# Altium PCB sombreakout.PcbDoc (part 2 of 3) (continued)
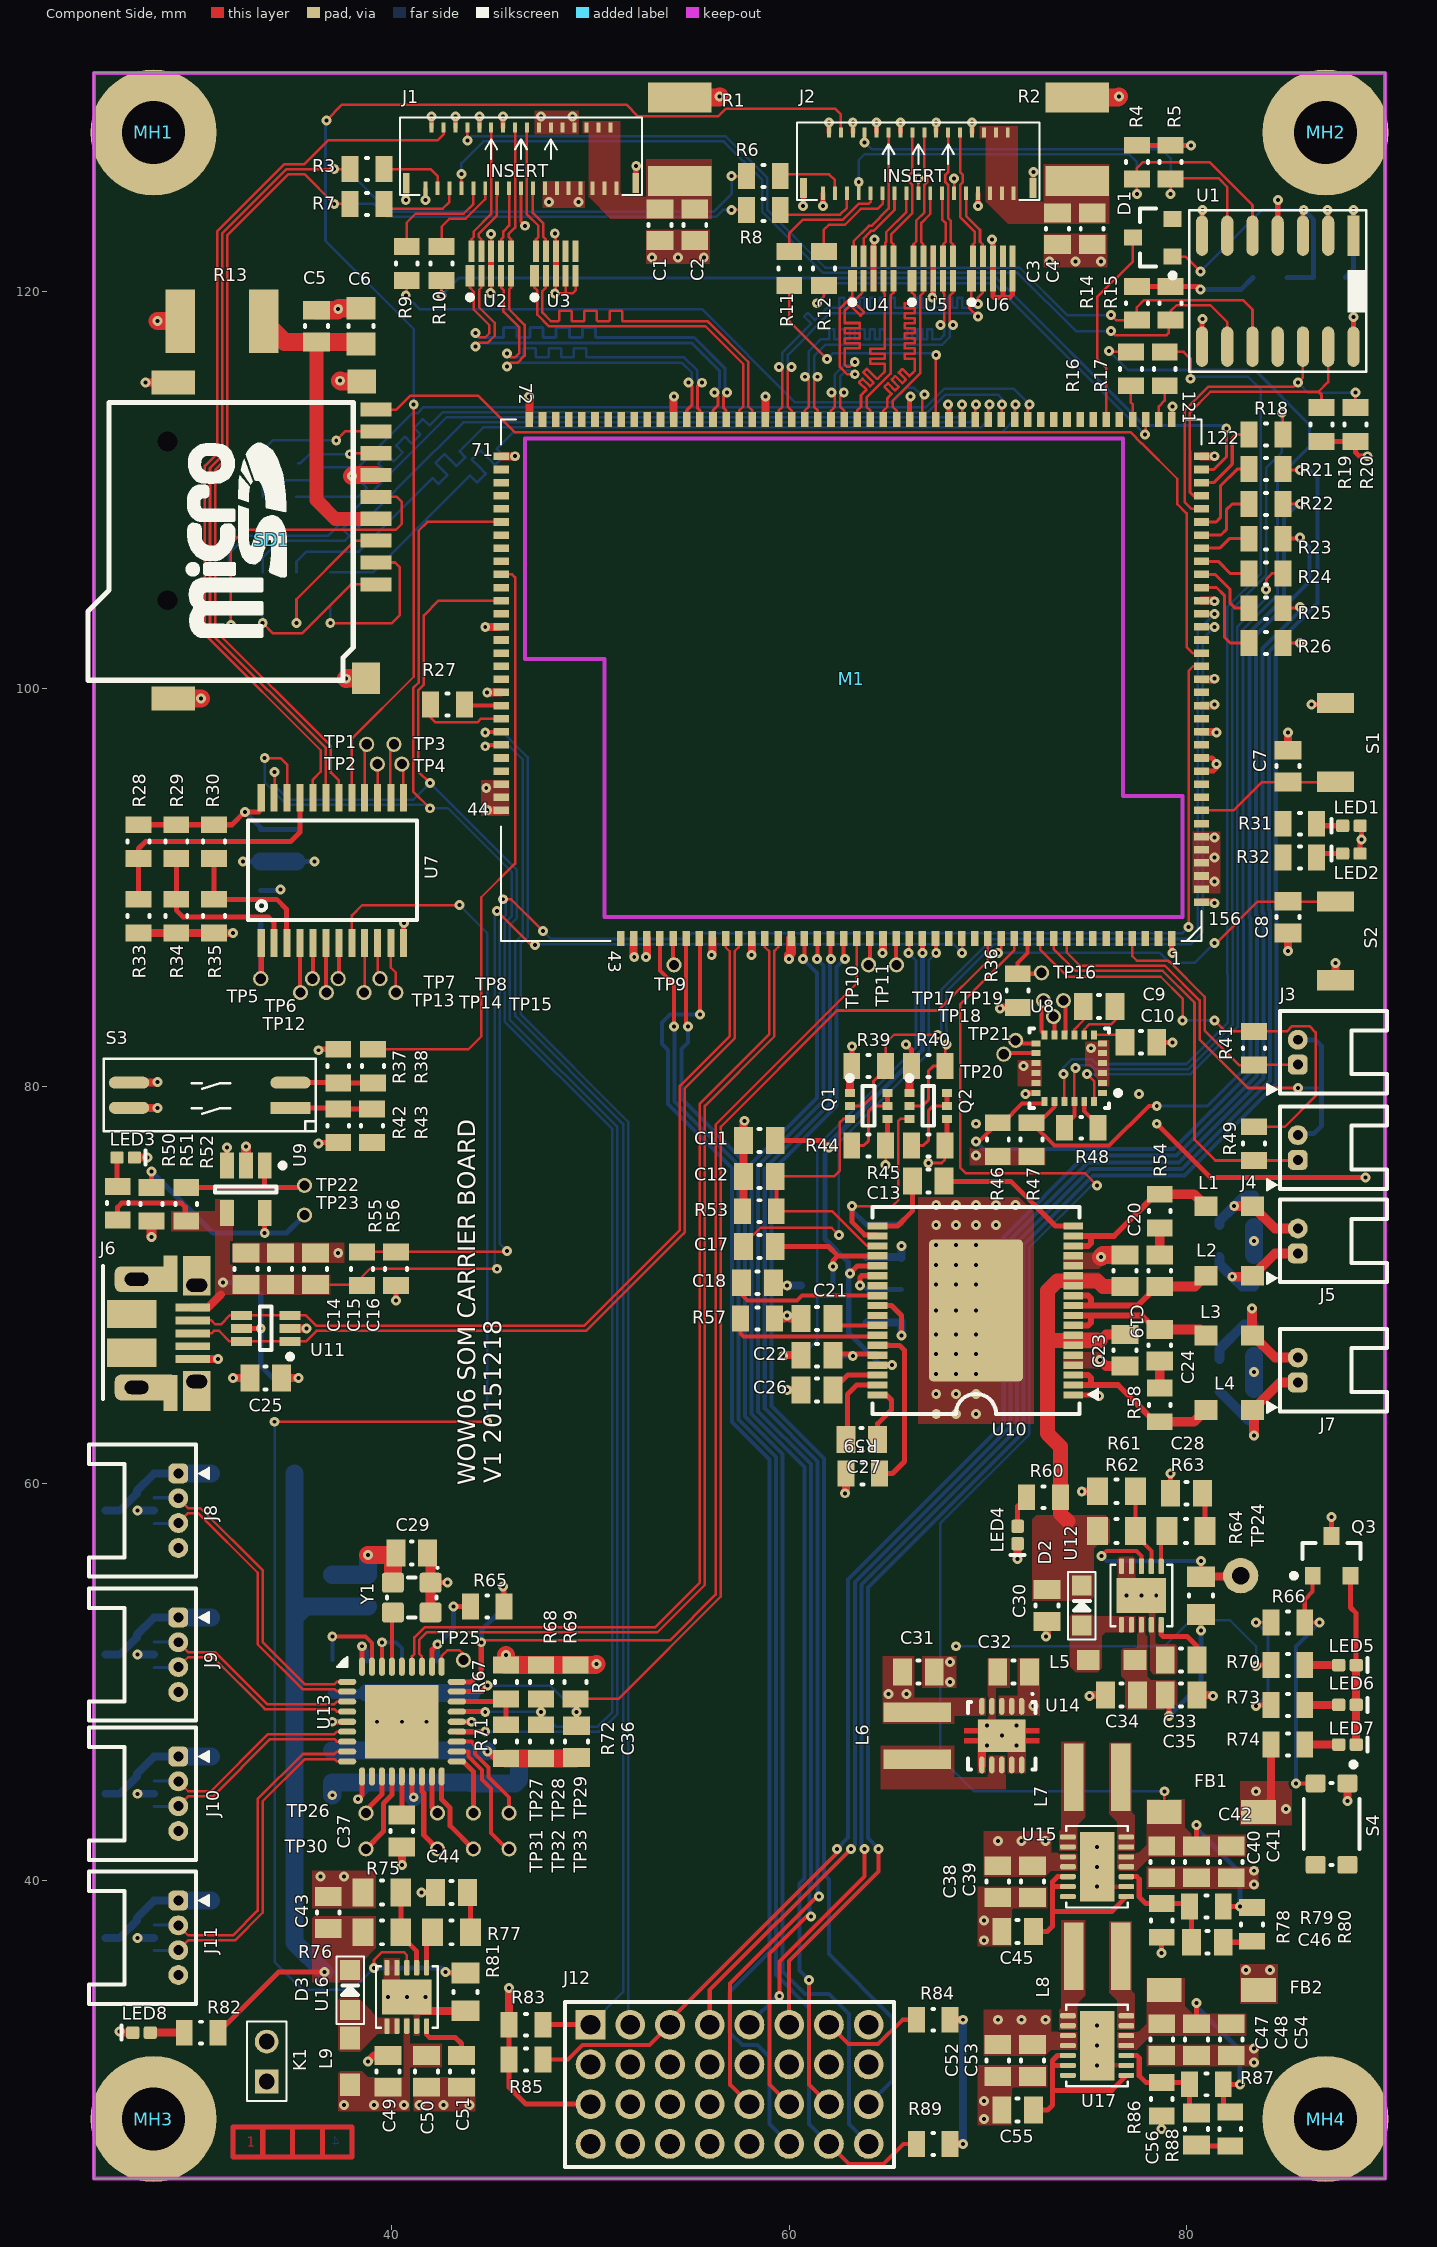
[diagram p0: Component Side view]
## Nets (pads, with @x,y where several pads share a name; then routed paths per layer and width w, separated by ;. In a path a pad name is that pad's centre, name@x,y a point inside that pad or via, vN(x,y) a via of type N, cw(c..) or ccw(c..) an arc to the next point about the centre after c; other vN are vias at no path point) (continued)
  Component Side w0.4: v1(26.3,32.4) 26.35,32.35 LED8.K@26.96,32.35 ; S3.4@26.772,78.9 v1(28.2,78.9) ; S3.3@26.772,80.17 28.17,80.17 v1(28.2,80.2) ; LED3.K@27.04,76.4 v1(27.7,76.4) ; R33.1@27.25,87.7 R34.1@29.15,87.7 R35.1@31.05,87.7 v1(32,87.7) ; v1(27.6,115.4) 27.61,115.41 SD1.6@28.989,115.41 ; J6.5@29.975,66.25 v1(31.25,66.25) ; v1(32,65.3) C25.2@32.85,65.3 ; U11.2@34.875,67.8 v1(35.7,67.8) ; v1(38.8,30.9) 39.1,31.2 C49.2@39.8,31.2 ; v1(40.5,40.8) C37.1@40.5,41.7 ; v1(40.75,34.15) 41.45,33.45 R81.2@43.7,33.45 ; v1(44.7,103.1) 44.71,103.11 M1.58@45.503,103.11 ; v1(44.8,93.9) 44.83,93.87 M1.44@45.503,93.87 ; v1(44.8,99.8) 44.81,99.81 M1.53@45.503,99.81 ; M1.71@45.503,111.69 46.19,111.69 v1(46.2,111.7) ; v1(46.9,114.7) 46.923,114.677 M1.72@46.923,113.55 ; M1.42@52.174,87.43 52.174,86.526 v1(52.2,86.5) ; v1(52.8,86.5) 52.834,86.534 M1.41@52.834,87.43 ; M1.83@54.183,113.55 54.183,114.683 v1(54.2,114.7) ; v1(56.1,86.6) 56.136,86.636 M1.36@56.136,87.43 ; R53.1@57.65,73.7 57.7,73.75 C12.1@57.7,75.45 C11.1@57.7,77.25 57.7,78.2 v1(57.75,78.25) ; v1(58.1,86.6) 58.117,86.617 M1.33@58.117,87.43 ; v1(58.8,114.7) 58.803,114.697 M1.90@58.803,113.55 ; C18.2@59.2,70.1 59.35,69.95 v1(59.9,69.95) ; R57.2@59.25,68.3 59.75,68.3 v1(59.9,68.45) 60.05,68.3 C21.1@60.6,68.3 ; v1@59.75,66.45 C22.1@60.6,66.45 C22.1@60.55,66.4 ; v1(59.9,64.7) C26.1@60.6,64.7 ; v1(62.8,59.5) 62.85,59.55 R59.2@62.85,60.5 ; Q1.1@63.05,79.65 R39.2@63.05,80.9 ; v1(64.7,86.7) 64.721,86.721 M1.23@64.721,87.43 ; Q2.1@66.05,79.65 66.05,80.9 R40.2@66.15,81 ; U14.6@69.7,45.825 69.7,46.55 v1(69.95,46.8) 70.45,47.3 v1(70.7,47.3) ; v1(71.5,56.2) LED4.K@71.5,56.96 ; v1(72.925,52.3) 72.975,52.35 C30.1@72.975,53.05 ; v1(74.725,59.6) R61.2@75.525,59.6 ; v1(75.125,49.3) 75.175,49.35 C34.2@75.925,49.35 ; C35.1@80.525,49.35 81.275,49.35 v1(81.325,49.3) ; M1.156@80.75,89.25 81.35,89.25 v1(81.4,89.2) ; M1.143@80.75,97.83 81.47,97.83 v1(81.5,97.8) ; M1.141@80.75,99.15 81.35,99.15 v1(81.4,99.2) ; M1.139@80.75,100.47 81.37,100.47 v1(81.4,100.5) ; M1.133@80.75,104.43 81.37,104.43 v1(81.4,104.4) ; M1.122@80.75,111.69 81.39,111.69 v1(81.4,111.7) ; v1(85.1,86.8) C8.1@85.1,87.7 ; C7.1@85.1,96.9 v1(85.1,97.8) ; S2.2@87.5,85.319 v1(87.5,86.2) ; v1(88.1,44) S4.1@88.1,44.9
  Component Side w0.5: v1(27.9,72.4) R51.1@27.9,73.2 ; U9.2@32.65,76 v1(32.65,76.95) ; v1(60,86.4) 60,86.587 60.098,86.685 M1.30@60.098,87.43 ; v1(75.65,66.2) 75.95,65.9 C23.1@76.9,65.9
  Component Side w0.914: SD1.6@28.989,99.51 30.39,99.51 v1(30.4,99.5) ; C5.2@36.2,119.05 37.25,119.05 v1(37.3,119.1) 37.35,119.15 C6.2@38.45,119.15 ; v1(37.4,115.5) 37.439,115.461 SD1.6@38.489,115.461 ; v1(37.7,100.5) 37.726,100.526 SD1.6@38.692,100.526 ; v1(38,110.7) 38.05,110.75 SD1.6@39.2,110.75 ; v1(38.8,56.4) 40,56.4 C29.2@40.05,56.35 ; Y1.2@40.05,55 C29.2@40.05,56.35 ; C29.2@40.2,56.5 C29.2@40.05,56.35 ; R71.1@45.75,46.15 R72.1@47.5,46.15 49.25,46.15 C36.1@49.3,46.2 ; v1(75.7,71.4) 75.8,71.5 C19.1@76.9,71.5
  Solder Side w0.254: v1(32.5,91.3) C59.2@33.4,91.3 ; C58.2@35.2,91.3 v1(36.1,91.3) ; C57.2@88,120.7 88.4,121.1 v1(88.4,124.1)
  Solder Side w0.4: v1(27.2,37.125) U21.2@28.025,37.125 ; v1(27.2,44.375) U20.2@28.025,44.375 ; v1(27.2,51.375) U19.2@28.025,51.375 ; v1(27.2,58.625) U18.2@28.025,58.625 ; v1(59.9,69.95) C69.1@60.6,69.95 ; R99.1@63.9,68.1 65.6,68.1 C68.1@65.65,68.15 v1(65.65,67.45) ; C66.1@63.9,71.4 65.6,71.4 65.65,71.35 v1(65.65,71.95)
  Solder Side w0.5: R102.1@37,49.4 38.7,49.4 C78.1@38.75,49.45
  Solder Side w0.914: C59.2@33.4,91.3 C58.2@35.2,91.3 ; C83.1@37,46.55 C82.1@38.75,46.55 C81.1@40.5,46.55 C80.1@42.25,46.55 C79.1@44,46.55 44.766,46.55 v1(44.816,46.5) ; C75.1@37,55.4 C74.2@38.8,55.4 v1(38.8,56.4) ; C78.1@38.75,49.45 C77.1@40.5,49.45 C76.1@42.25,49.45 44,49.45 ; C73.1@83.4,64.75 v1(83.4,65.6) C70.2@83.4,66.4 ; C67.2@83.4,71.5 v1(83.4,72.2) C64.1@83.4,72.9
  other v1: 69.8,28 41.4,28.7 42.6,28.7 43.9,28.7 69.8,28.9 75.5,30.7 83.4,30.85 83.4,31.55 75.5,31.7 75.5,32.7 39.8,34.15 41.7,34.15 69.8,37 69.8,38 75.5,39.7 83.4,39.8 36.4,40.2 37.6,40.2 83.4,40.5 75.5,40.7 75.5,41.7 71.45,46.8 69.95,47.8 71.45,47.8 39.25,48 40.5,48 41.75,48 68.1,50 68.1,51 76.975,54.35 77.725,54.35 78.475,54.35 67.4,63.5 68.4,63.5 69.4,63.5 67.4,64.5 68.4,64.5 69.4,64.5 67.4,65.5 68.4,65.5 69.4,65.5 59.7,66.4 67.4,66.5 68.4,66.5 69.4,66.5 67.4,67.5 68.4,67.5 69.4,67.5 67.4,68.7 68.4,68.7 69.4,68.7 67.4,70 68.4,70 69.4,70 67.4,71 68.4,71 69.4,71 37.3,71.6 67.4,72 68.4,72 69.4,72 67.4,73 68.4,73 69.4,73 70.4,73 67.4,74 68.4,74 69.4,74 70.4,74 71.4,74 69.4,78.1 77.6,79.6 75.2,81.9 44.75,95 48.2,119.9 73.1,121.5 74.4,121.5 75.7,121.5 53.1,121.7 54.4,121.7 55.7,121.7 47.9,124.5 49.4,124.5 47.5,128.8 49.1,128.8
GPIO_114: M1.39 TP9.1 | length 1.3
  Component Side w0.203: M1.39@54.155,87.43 54.155,86.145 TP9.1@54.2,86.1
I2S1_CLK: J12.19 M1.27 | length 63.5
  Component Side w0.203: J12.19@58,28.75 57.021,29.729 57.021,34.821 61.4,39.2 v1(61.5,39.2) ; M1.27@62.08,87.43 62.08,86.42 v1(62.1,86.4)
  Solder Side w0.203: v1(61.5,39.2) 61.43,39.27 61.43,61.104 58.77,63.764 58.77,75.837 62.06,79.127 62.06,86.36 v1(62.1,86.4)
I2S1_DATA0: J12.23 M1.28 | length 62.9
  Component Side w0.203: J12.23@60,28.75 59,29.75 59,36.333 60.867,38.2 v1(61.1,38.2) ; v1(61.4,86.4) v1@61.5,86.4 ; M1.28@61.419,87.43 61.419,86.481 v1@61.5,86.4
  Solder Side w0.203: v1(61.1,38.2) 61.021,38.279 61.021,39.821 61.1,39.9 61.1,60.967 58.44,63.627 58.44,75.974 61.73,79.264 61.73,86.07 v1(61.4,86.4)
I2S1_DATA1: J12.27 M1.29 | length 62.3
  Component Side w0.203: v1(60.7,86.4) v1@60.817,86.4 ; M1.29@60.759,87.43 60.759,86.459 v1@60.817,86.4 ; v1(61,35) 61,29.75 J12.27@62,28.75
  Solder Side w0.203: v1(60.7,86.4) 61.4,85.7 61.4,79.401 58.109,76.11 58.109,63.491 60.77,60.83 60.77,40.1 60.521,39.851 60.521,35.479 v1(61,35)
I2S1_WS: J12.31 M1.26 | length 63.3
  Component Side w0.203: M1.26@62.74,87.43 62.74,86.46 v1(62.8,86.4)
  Solder Side w0.203: v1(62.8,86.4) 62.391,85.991 62.391,78.991 59.1,75.7 59.1,63.901 61.76,61.241 61.76,40.3 62,40.06 62,36.3 65.2,33.1 65.2,29.95 J12.31@64,28.75
I2S2_CLK: J12.24 M1.37 | length 67.1
  Component Side w0.203: M1.37@55.476,87.43 55.5,87.406 55.5,86.1 v1(55.5,83.6)
  Solder Side w0.203: v1(55.5,83.6) 54,83.6 53.6,83.2 53.6,82.107 53.907,81.8 53.907,79.093 57.119,75.881 57.119,63.08 59,61.199 59,36.4 57,34.4 57,32.366 57.637,31.729 58.405,31.729 59,31.134 59,27.75 J12.24@60,26.75
I2S2_DATA: J12.28 M1.40 R89.1 | length 69.4
  Component Side w0.203: M1.40@53.5,87.425 M1.40@53.494,87.43 53.494,85.806 54.2,85.1 v1(54.2,83) ; J12.28@62,26.75 63,25.75 64.75,25.75 65.75,26.75 R89.1@66.4,26.75
  Solder Side w0.203: v1(54.2,83) 54.237,82.963 54.237,79.23 57.449,76.018 57.449,63.217 59.33,61.336 59.33,35.27 61,33.6 61,27.75 J12.28@62,26.75
I2S2_WS: J12.32 M1.38 | length 65.5
  Component Side w0.203: M1.38@54.815,87.43 54.815,83.085 v1(54.9,83)
  Solder Side w0.203: v1(54.9,83) 54.9,82.2 54.567,81.867 54.567,79.367 57.779,76.155 57.779,63.354 59.66,61.473 59.66,35.44 60.8,34.3 62,34.3 63,33.3 63,27.75 J12.32@64,26.75
JTAG_PS_HOLD: M1.144
JTAG_SRST#: M1.114
JTAG_TCK: M1.112
JTAG_TDI: M1.111
JTAG_TDO: M1.117
JTAG_TMS: M1.113
JTAG_TRST#: M1.115
LED1: R32.2
LED2: R31.2
MCAM_PWDN: J2.4 U7.17 | length 64.9
  Component Side w0.127: v1(36.7,128.6) 37.5,129.4 51.8,129.4 52.39,128.81 56.425,128.81 56.816,129.2 62.3,129.2 62.6,128.9 J2.4@62.6,128 ; U7.17@37.991,94.508 37.991,97.491 41.1,100.6 v1(41.1,114.3)
  Solder Side w0.127: v1(36.7,128.6) 36.659,128.559 36.659,122.541 41.1,118.1 v1(41.1,114.3)
MCAM_RST#: M1.119 R12.1 | length 21.9
  Component Side w0.127: v1(61.4,119.4) 61.75,119.75 R12.1@61.75,120.3 ; v1(77.9,112.8) 77.943,112.843 M1.119@77.943,113.55
  Solder Side w0.127: v1(61.4,119.4) 62.4,120.4 70.3,120.4 v1(77.9,112.8)
MCAM_SCL: J2.8 R5.1 U1.6 | length 24.3
  Component Side w0.127: v1(63.8,127.5) J2.8@63.8,128 ; v1(79.2,124.9) R5.1@79.2,125.65 79.25,125.7 81.6,125.7 82.05,125.25 U1.6@82.05,122.8
  Solder Side w0.127: v1(63.8,127.5) 64.146,127.154 78.746,127.154 79.2,126.7 v1(79.2,124.9)
MCAM_SDA: J2.7 R4.1 U1.5 | length 27.2
  Component Side w0.127: J2.7@63.5,124.935 v1(63.5,125.5) ; v1(77.5,124.9) R4.1@77.5,125.65 77.5,126.2 77.8,126.5 81.159,126.5 83.32,124.339 U1.5@83.32,122.8
  Solder Side w0.127: v1(63.5,125.5) 63.5,126.6 63.8,126.9 77.1,126.9 77.5,126.5 v1(77.5,124.9)
MIPI_CSI0_CLK_N: M1.95 U4.2 | length 15
  Component Side w0.127: M1.95@62.103,113.55 62.103,113.994 62.219,114.111 62.219,114.123 62.293,114.197 62.293,114.726 v1(62.119,114.9) ; v1(63.3,116.453) 63.047,116.2 62.9,116.2 62.8,116.3 62.8,116.374 62.8,116.628 62.8,116.882 62.8,117.136 63.537,117.136 ccw(c63.537,117.148) 63.55,117.148 63.55,117.377 ccw(c63.537,117.377) 63.537,117.39 62.8,117.39 62.8,117.644 63.537,117.644 ccw(c63.537,117.656) 63.55,117.656 63.55,117.885 ccw(c63.537,117.885) 63.537,117.898 62.8,117.898 62.8,118.152 63.537,118.152 ccw(c63.537,118.164) 63.55,118.164 63.55,118.393 ccw(c63.537,118.393) 63.537,118.406 62.8,118.406 62.8,118.66 62.8,118.914 62.8,119.041 62.878,119.119 63.058,119.299 63.579,118.777 ccw(c63.588,118.786) 63.597,118.777 63.759,118.939 ccw(c63.75,118.948) 63.759,118.957 63.237,119.478 63.417,119.658 63.597,119.837 63.686,119.927 63.686,120.472 U4.2@63.75,120.535
  Solder Side w0.127: v1(62.119,114.9) 62.293,115.074 62.293,115.808 62.757,116.272 63.119,116.272 v1(63.3,116.453)
MIPI_CSI0_CLK_P: M1.96 U4.1 | length 8.8
  Component Side w0.127: v1(62.746,114.9) 62.572,114.726 62.572,114.185 62.763,113.994 M1.96@62.763,113.55 ; U4.1@63.175,120.535 63.175,119.775 62.546,119.146 62.546,116.195 62.915,115.826 v1(63.3,115.826)
  Solder Side w0.127: v1(62.746,114.9) 62.572,115.074 62.572,115.728 62.845,116 63.126,116 v1(63.3,115.826)
MIPI_CSI0_D0_N: M1.99 U5.1 | length 16.7
  Component Side w0.127: M1.99@64.743,113.55 64.743,113.994 64.933,114.185 64.933,114.35 64.941,114.357 64.941,114.623 64.959,114.641 64.974,114.656 65.154,114.836 64.804,115.185 cw(c64.813,115.194) 64.804,115.203 64.966,115.365 cw(c64.975,115.356) 64.984,115.365 65.333,115.015 65.513,115.195 65.163,115.544 cw(c65.172,115.553) 65.163,115.562 65.325,115.724 cw(c65.334,115.715) 65.343,115.724 65.692,115.374 65.872,115.554 65.522,115.904 cw(c65.531,115.913) 65.522,115.922 65.683,116.084 cw(c65.692,116.075) 65.701,116.084 66.052,115.734 66.231,115.913 66.321,116.003 66.321,116.108 66.321,116.362 66.321,116.616 65.826,116.616 cw(c65.826,116.628) 65.813,116.628 65.813,116.857 cw(c65.826,116.857) 65.826,116.87 66.321,116.87 66.321,117.124 65.826,117.124 cw(c65.826,117.136) 65.813,117.136 65.813,117.365 cw(c65.826,117.365) 65.826,117.378 66.321,117.378 66.321,117.632 65.826,117.632 cw(c65.826,117.644) 65.813,117.644 65.813,117.873 cw(c65.826,117.873) 65.826,117.886 66.321,117.886 66.321,118.14 65.826,118.14 cw(c65.826,118.152) 65.813,118.152 65.813,118.381 cw(c65.826,118.381) 65.826,118.394 66.321,118.394 66.321,118.648 65.826,118.648 cw(c65.826,118.66) 65.813,118.66 65.813,118.889 cw(c65.826,118.889) 65.826,118.902 66.321,118.902 66.321,119.156 65.826,119.156 cw(c65.826,119.168) 65.813,119.168 65.813,119.397 cw(c65.826,119.397) 65.826,119.41 66.321,119.41 66.321,119.664 66.321,119.791 66.175,119.937 U5.1@66.175,120.535
MIPI_CSI0_D0_P: M1.100 U5.2 | length 7.7
  Component Side w0.127: M1.100@65.403,113.55 65.403,113.994 65.212,114.185 65.212,114.5 65.906,115.194 66.6,115.887 66.6,119.6 66.6,119.787 66.75,119.937 U5.2@66.75,120.535
MIPI_CSI0_D1_N: M1.98 U4.5 | length 7.6
  Component Side w0.127: M1.98@64.083,113.55 64.083,113.994 63.893,114.185 63.893,114.65 65.1,115.858 65.1,119.787 65.25,119.937 U4.5@65.25,120.535
MIPI_CSI0_D1_P: M1.97 U4.4 | length 13
  Component Side w0.127: M1.97@63.423,113.55 63.423,113.994 63.613,114.185 63.613,114.766 63.7,114.853 63.8,114.953 63.881,115.033 63.881,115.051 63.524,115.409 63.524,115.427 63.685,115.588 63.703,115.588 64.06,115.231 64.078,115.231 64.24,115.393 64.24,115.411 63.73,115.92 63.73,115.938 63.892,116.1 63.91,116.1 64.42,115.59 64.438,115.59 64.608,115.761 64.788,115.94 64.821,115.974 64.821,116.101 64.821,116.342 64.808,116.355 64.084,116.355 64.071,116.367 64.071,116.596 64.084,116.609 64.808,116.609 64.821,116.621 64.821,116.85 64.808,116.863 64.084,116.863 64.071,116.875 64.071,117.104 64.084,117.117 64.808,117.117 64.821,117.129 64.821,117.371 64.821,117.4 64.821,119.4 64.821,119.865 64.75,119.937 U4.4@64.75,120.535
MIPI_CSI0_D2_N: M1.93 U5.4 | length 22.8
  Component Side w0.127: M1.93@60.783,113.55 60.783,113.994 60.974,114.185 60.974,115.526 v1(60.8,115.7) ; v1(67.626,118.3) 67.8,118.474 67.8,119.886 67.75,119.937 U5.4@67.75,120.535
  Solder Side w0.127: v1(60.8,115.7) 60.974,115.874 60.974,116.3 60.974,116.333 60.974,116.587 60.974,116.841 60.974,116.968 61.135,117.13 61.315,117.31 61.495,117.489 61.584,117.579 61.771,117.579 62.025,117.579 62.025,118.074 cw(c62.038,118.074) 62.038,118.087 62.266,118.087 cw(c62.266,118.074) 62.279,118.074 62.279,117.579 62.533,117.579 62.533,118.074 cw(c62.546,118.074) 62.546,118.087 62.774,118.087 cw(c62.774,118.074) 62.787,118.074 62.787,117.579 63.041,117.579 63.041,118.074 cw(c63.054,118.074) 63.054,118.087 63.282,118.087 cw(c63.282,118.074) 63.295,118.074 63.295,117.579 63.549,117.579 63.549,118.074 cw(c63.562,118.074) 63.562,118.087 63.79,118.087 cw(c63.79,118.074) 63.803,118.074 63.803,117.579 64.057,117.579 64.057,118.074 cw(c64.07,118.074) 64.07,118.087 64.298,118.087 cw(c64.298,118.074) 64.311,118.074 64.311,117.579 64.565,117.579 64.565,118.074 cw(c64.578,118.074) 64.578,118.087 64.806,118.087 cw(c64.806,118.074) 64.819,118.074 64.819,117.579 65.073,117.579 65.2,117.579 65.425,117.579 65.679,117.579 65.933,117.579 65.933,118.074 cw(c65.946,118.074) 65.946,118.087 66.175,118.087 cw(c66.175,118.074) 66.187,118.074 66.187,117.579 66.441,117.579 66.441,118.074 cw(c66.454,118.074) 66.454,118.087 66.683,118.087 cw(c66.683,118.074) 66.695,118.074 66.695,117.579 66.949,117.579 66.949,118.074 cw(c66.962,118.074) 66.962,118.087 67.191,118.087 cw(c67.191,118.074) 67.203,118.074 67.203,117.579 67.457,117.579 67.584,117.579 67.8,117.795 67.8,118.126 v1(67.626,118.3)
MIPI_CSI0_D2_P: M1.94 U5.5 | length 13.5
  Component Side w0.127: v1(61.427,115.7) 61.253,115.526 61.253,114.185 61.443,113.994 M1.94@61.443,113.55 ; v1@68.079,118.474 68.079,119.766 68.25,119.937 U5.5@68.25,120.535
  Solder Side w0.127: v1(61.427,115.7) 61.253,115.874 61.253,116.747 61.805,117.3 67.69,117.3 68.079,117.689 68.079,118.126 v1(68.253,118.3)
MIPI_CSI0_D3_N: M1.91 U6.2 | length 25.8
  Component Side w0.127: M1.91@59.463,113.55 59.463,113.994 59.653,114.185 59.653,116.026 v1(59.48,116.2) ; v1(69.5,119.353) 69.5,119.687 69.75,119.937 U6.2@69.75,120.535
  Solder Side w0.127: v1(59.48,116.2) 59.653,116.374 59.653,116.916 60.819,118.081 60.929,118.191 61.109,118.371 60.758,118.721 cw(c60.767,118.73) 60.758,118.739 60.92,118.901 cw(c60.929,118.892) 60.938,118.901 61.288,118.55 61.468,118.73 61.648,118.91 61.827,119.089 61.917,119.179 62.017,119.179 62.271,119.179 62.525,119.179 62.525,119.674 cw(c62.538,119.674) 62.538,119.687 62.766,119.687 cw(c62.766,119.674) 62.779,119.674 62.779,119.179 63.033,119.179 63.033,119.674 cw(c63.046,119.674) 63.046,119.687 63.274,119.687 cw(c63.274,119.674) 63.287,119.674 63.287,119.179 63.541,119.179 63.541,119.674 cw(c63.554,119.674) 63.554,119.687 63.782,119.687 cw(c63.782,119.674) 63.795,119.674 63.795,119.179 64.049,119.179 64.049,119.674 cw(c64.062,119.674) 64.062,119.687 64.29,119.687 cw(c64.29,119.674) 64.303,119.674 64.303,119.179 64.557,119.179 64.557,119.674 cw(c64.57,119.674) 64.57,119.687 64.798,119.687 cw(c64.798,119.674) 64.811,119.674 64.811,119.179 65.065,119.179 65.065,119.674 cw(c65.078,119.674) 65.078,119.687 65.306,119.687 cw(c65.306,119.674) 65.319,119.674 65.319,119.179 65.573,119.179 65.7,119.179 65.925,119.179 66.179,119.179 66.433,119.179 66.433,119.674 cw(c66.446,119.674) 66.446,119.687 66.674,119.687 cw(c66.674,119.674) 66.687,119.674 66.687,119.179 66.941,119.179 67.195,119.179 67.449,119.179 67.703,119.179 67.957,119.179 67.957,119.674 cw(c67.97,119.674) 67.97,119.687 68.198,119.687 cw(c68.198,119.674) 68.211,119.674 68.211,119.179 68.465,119.179 68.465,119.674 cw(c68.478,119.674) 68.478,119.687 68.706,119.687 cw(c68.706,119.674) 68.719,119.674 68.719,119.179 68.973,119.179 69.1,119.179 69.326,119.179 v1(69.5,119.353)
MIPI_CSI0_D3_P: M1.92 U6.1 | length 16
  Component Side w0.127: v1(60.106,116.2) 59.932,116.026 59.932,114.185 60.123,113.994 M1.92@60.123,113.55 ; U6.1@69.175,120.535 69.175,119.656 69.06,119.54 69.06,119.167 v1(69.5,118.726)
  Solder Side w0.127: v1(60.106,116.2) 59.932,116.374 59.932,116.8 62.032,118.9 69.326,118.9 v1(69.5,118.726)
MIPI_CSI1_CLK_N: M1.86 U2.2 | length 20.3
  Component Side w0.127: v1(44.2,117.226) 44.374,117.4 44.816,117.4 45.179,117.763 45.179,118.416 44.4,119.195 44.4,120.087 44.5,120.187 U2.2@44.5,120.785
  Component Side w0.152: M1.86@56.163,113.55 56.163,114.007 56.417,114.261 56.417,114.726 v1(56.243,114.9)
  Solder Side w0.152: v1(44.2,117.226) 44.374,117.4 54.596,117.4 55.1,117.4 56.481,116.019 56.481,115.151 56.243,114.914 v1(56.243,114.9)
MIPI_CSI1_CLK_P: M1.87 U2.1 | length 23.9
  Component Side w0.127: U2.1@43.925,120.785 43.925,120.187 44.121,119.99 44.121,119.079 44.9,118.3 44.9,117.879 44.7,117.679 44.405,117.679 44.231,117.853 v1@44.2,117.853
  Component Side w0.152: M1.87@56.823,113.55 56.823,114.007 56.696,114.134 56.696,114.726 v1(56.87,114.9)
  Solder Side w0.152: v1@44.2,117.853 44.374,117.679 45.3,117.679 45.597,117.679 45.63,117.712 45.63,118.154 45.663,118.187 46.257,118.187 46.29,118.154 46.29,117.712 46.323,117.679 46.917,117.679 46.95,117.712 46.95,118.154 46.983,118.187 47.577,118.187 47.61,118.154 47.61,117.712 47.643,117.679 48.237,117.679 48.27,117.712 48.27,118.154 48.303,118.187 48.897,118.187 48.93,118.154 48.93,117.712 48.963,117.679 49.557,117.679 49.59,117.712 49.59,118.154 49.623,118.187 50.217,118.187 50.25,118.154 50.25,117.712 50.283,117.679 50.91,117.679 51.2,117.679 54.596,117.679 55.216,117.679 56.76,116.135 56.76,115.01 v1(56.87,114.9)
  other v1: 44.2,117.9
MIPI_CSI1_D0_N: M1.88 U3.1 | length 16.3
  Component Side w0.127: U3.1@47.175,120.785 47.175,120.187 47.321,120.04 47.321,118.82 47.891,118.25 55.775,118.25 57.686,116.339 57.686,114.197 57.483,113.994 M1.88@57.483,113.55
MIPI_CSI1_D0_P: M1.89 U3.2 | length 19.1
  Component Side w0.127: U3.2@47.75,120.785 47.75,120.187 47.575,120.012 47.575,118.925 47.996,118.504 48.1,118.504 48.386,118.504 48.418,118.536 48.418,118.98 48.449,119.012 49.021,119.012 49.053,118.98 49.053,118.536 49.084,118.504 49.656,118.504 49.688,118.536 49.688,118.98 49.719,119.012 50.291,119.012 50.323,118.98 50.323,118.536 50.354,118.504 50.926,118.504 50.958,118.536 50.958,118.98 50.989,119.012 51.561,119.012 51.593,118.98 51.593,118.536 51.624,118.504 52.228,118.504 52.3,118.504 55.88,118.504 55.955,118.43 57.94,116.444 57.94,114.197 58.143,113.994 M1.89@58.143,113.55
MIPI_CSI1_D1_N: M1.84 U2.5 | length 17.7
  Component Side w0.127: v1(45.8,116.214) 45.986,116.4 46.316,116.4 46.679,116.763 46.679,118.316 45.897,119.097 45.9,119.1 45.9,120.087 46,120.187 U2.5@46,120.785
  Component Side w0.152: M1.84@54.843,113.55 54.843,114.007 55.097,114.261 55.097,115.226 v1(54.923,115.4)
  Solder Side w0.127: v1(45.8,116.214) 45.986,116.4 54.597,116.4 55.097,115.9 55.097,115.574 v1(54.923,115.4)
MIPI_CSI1_D1_P: M1.85 U2.4 | length 20.1
  Component Side w0.127: U2.4@45.5,120.785 45.5,120.187 45.621,120.066 45.621,119.216 45.618,119.213 45.618,118.982 45.7,118.9 46.4,118.2 46.4,116.879 46.2,116.679 45.986,116.679 v1(45.8,116.866)
  Component Side w0.152: M1.85@55.503,113.55 55.503,114.007 55.376,114.134 55.376,115.226 v1@55.55,115.4
  Solder Side w0.127: v1(45.8,116.866) 45.986,116.679 46.3,116.679 46.586,116.679 46.617,116.711 46.617,117.102 46.649,117.134 47.221,117.134 47.252,117.102 47.252,116.711 47.284,116.679 47.856,116.679 47.887,116.711 47.887,117.102 47.919,117.134 48.491,117.134 48.522,117.102 48.522,116.711 48.554,116.679 49.126,116.679 49.157,116.711 49.157,117.102 49.189,117.134 49.761,117.134 49.792,117.102 49.792,116.711 49.824,116.679 50.427,116.679 50.9,116.679 54.713,116.679 55.376,116.016 55.376,115.605 55.389,115.593 55.389,115.562 v1@55.55,115.4
  other v1: 55.6,115.4
MIPI_DSI0_CLK_N: M1.77
MIPI_DSI0_CLK_P: M1.78
MIPI_DSI0_D0_N: M1.81
MIPI_DSI0_D0_P: M1.82
MIPI_DSI0_D1_N: M1.79
MIPI_DSI0_D1_P: M1.80
MIPI_DSI0_D2_N: M1.74
MIPI_DSI0_D2_P: M1.73
MIPI_DSI0_D3_N: M1.75
MIPI_DSI0_D3_P: M1.76
NetC1_2: C1.2 C2.2 J1.28 J1.29 J1.30 J1.31 J1.32 J1.33 R1.1
NetC3_2: C3.2 C4.2 J2.28 J2.29 J2.30 J2.31 J2.32 J2.33 R2.1
NetC5_1: C5.1 C6.1 R13.1 SD1.4 | length 16.7
  Component Side w0.7: C5.1@36.2,117.45 36.2,109.5 37.15,108.55 SD1.4@39.2,108.55
  Component Side w0.914: R13.1@33.55,118.5 34.6,117.45 C5.1@36.2,117.45 38.35,117.45 C6.1@38.45,117.35
NetC9_1: C9.1 U8.9 | length 1.6
  Component Side w0.127: U8.9@74.35,82.575 74.35,82.85 74.8,83.3 C9.1@74.8,84
NetC9_2: C9.2 U8.8 | length 2.7
  Component Side w0.127: U8.8@74.85,82.575 74.85,82.85 75.1,83.1 76.2,83.1 76.4,83.3 C9.2@76.4,84
NetC10_2: C10.2 U8.7 | length 1.7
  Component Side w0.127: U8.7@75.35,82.575 76.525,82.575 C10.2@76.9,82.2
NetC12_2: C12.2 Q1.3 R53.2 U10.21 | length 14
  Component Side w0.127: C12.2@59.3,75.45 62.26,75.45 62.535,75.725 62.535,78.16 62.725,78.35 Q1.3@63.05,78.35 ; R53.2@59.35,73.7 62.162,73.7 63.912,71.95 U10.21@64.45,71.95
  Component Side w0.2: C12.2@59.3,75.45 59.35,75.4 R53.2@59.35,73.7
NetC13_1: C13.1 U10.18 | length 7.4
  Component Side w0.254: C13.1@67.8,75.2 71.15,75.2 73.4,72.95 U10.18@74.3,72.95
NetC13_2: C13.2 U10.19 | length 3.6
  Component Side w0.254: U10.19@64.45,72.95 65.45,72.95 66.2,73.7 C13.2@66.2,75.25
NetC17_1: C17.1 C69.2 U10.22 | length 7.1
  Component Side w0.254: C17.1@59.3,71.925 61.975,71.925 62.45,71.45 ; v1@62.2,70.8 v1(62.2,70.925) 62.2,71.2 62.45,71.45 ; U10.22@64.45,71.45 62.45,71.45
  Solder Side w0.254: C69.2@62.2,69.95 v1(62.2,70.925)
NetC18_1: C18.1 U10.26 | length 7.7
  Component Side w0.2: C18.1@57.6,70.1 57.6,69.5 57.9,69.2 58.629,69.2 58.631,69.198 59.769,69.198 59.773,69.202 60.4,69.202 60.648,69.45 U10.26@64.45,69.45
NetC20_1: C20.1 L2.1 U10.10 U10.11 | length 8.6
  Component Side w0.3: U10.10@74.3,68.95 75.2,68.95 ; U10.11@74.3,69.45 75.05,69.45 75.2,69.3 75.2,68.95 ; C20.1@78.65,69.9 78.5,69.9 77.55,68.95 75.2,68.95
  Component Side w0.5: C20.1@78.65,69.9 80.425,69.9 L2.1@80.975,70.45
NetC20_2: C20.2 R54.1 | length 1.3
  Component Side w0.5: C20.2@78.65,71.5 R54.1@78.65,72.85
NetC21_2: C21.2 U10.29 | length 2.4
  Component Side w0.2: C21.2@62.2,68.3 62.55,67.95 U10.29@64.45,67.95
NetC22_2: C22.2 C72.1 U10.32 | length 3.4
  Component Side w0.254: C22.2@62.2,66.45 62.254,66.504 64.396,66.504 U10.32@64.45,66.45 ; v1(63.2,66.4) 63.2,66.404 v1@63.3,66.504
  Solder Side w0.254: C72.1@62.2,66.4 v1(63.2,66.4)
NetC24_1: C24.1 L3.1 U10.8 U10.9 | length 8.4
  Component Side w0.3: U10.8@74.3,67.95 75.05,67.95 75.2,68.1 75.2,68.45 ; U10.9@74.3,68.45 75.2,68.45 ; C24.1@78.65,67.75 78.45,67.75 77.75,68.45 75.2,68.45
  Component Side w0.5: C24.1@78.65,67.75 80.675,67.75 L3.1@80.975,67.45
NetC24_2: C24.2 R58.1 | length 1.3
  Component Side w0.5: R58.1@78.65,64.8 C24.2@78.65,66.15
NetC26_2: C26.2 U10.34 | length 2.6
  Component Side w0.254: C26.2@62.2,64.7 62.95,65.45 U10.34@64.45,65.45
NetC27_1: C27.1 U10.36 | length 3.1
  Component Side w0.254: C27.1@64.45,62.2 64.45,63 65.15,63.7 65.15,64.2 64.9,64.45 U10.36@64.45,64.45
NetC27_2: C27.2 U10.35 | length 4.1
  Component Side w0.254: C27.2@62.85,62.2 62.929,62.2 62.929,64.479 63.4,64.95 U10.35@64.45,64.95
NetC28_2: C28.2 R63.1 | length 2
  Component Side w0.254: C28.2@80.8,59.5 80.925,59.375 R63.1@80.925,57.6
NetC33_2: C33.2 U12.10 | length 3.2
  Component Side w0.254: U12.10@78.725,52.88 78.725,52.4 78.825,52.3 80.025,52.3 80.525,51.8 C33.2@80.525,51.1
NetC37_2: C37.2 U13.14 | length 2
  Component Side w0.254: C37.2@40.5,43.3 U13.14@40.5,45.25
NetC44_2: C44.2 R77.1 | length 2.1
  Component Side w0.254: C44.2@43.8,39.4 43.95,39.25 R77.1@43.95,37.4
NetC45_1: C45.1 U15.1 U15.12 U15.13 | length 9
  Component Side w0.254: C45.1@72.3,37.45 73,37.45 73.25,37.7 73.25,38.45 ; U15.13@74.03,39.7 73.25,39.7 ; U15.12@74.03,40.2 73.5,40.2 73.25,39.95 73.25,39.7 ; U15.1@76.97,39.2 76.97,39.186 76.234,38.45 73.25,38.45 ; 73.25,38.45 73.25,39.7
NetC46_1: C46.1 R78.2 R79.1 U15.3 | length 6.2
  Component Side w0.254: U15.3@76.97,40.2 77.5,40.2 77.619,40.081 77.619,39.181 77.95,38.85 R78.2@78.75,38.85 80,38.85 R79.1@80.15,38.7 80.25,38.6 C46.1@80.25,36.9
NetC46_2: C46.2 R80.1 | length 1.5
  Component Side w0.254: C46.2@81.85,36.9 83.25,36.9 R80.1@83.3,36.95
NetC47_2: C47.2 C48.2 C54.2 FB2.1 R87.2 R88.2 U17.4 U17.5 | length 8.7
  Component Side w0.254: C48.2@80.5,32.8 v1(80.5,33.85) ; R88.2@82.2,28.35 81.85,28.35 R87.2@81.85,29.75 v1(82.7,29.75)
  Solder Side w0.254: v1(80.5,33.85) 80.5,33.65 82.7,31.45 v1(82.7,29.75)
NetC51_2: C51.2 U16.10 | length 3
  Component Side w0.254: U16.10@41.75,32.68 41.75,32.25 41.9,32.1 43.2,32.1 43.5,31.8 C51.2@43.5,31.2
NetC55_1: C55.1 U17.1 U17.12 U17.13 | length 9
  Component Side w0.254: C55.1@72.3,28.45 73,28.45 73.25,28.7 73.25,29.45 ; U17.13@74.03,30.7 73.25,30.7 ; U17.12@74.03,31.2 73.5,31.2 73.25,30.95 73.25,30.7 ; U17.1@76.97,30.2 76.97,30.186 76.234,29.45 73.25,29.45 ; 73.25,29.45 73.25,30.7
NetC56_1: C56.1 R86.2 R87.1 U17.3 | length 6.1
  Component Side w0.254: U17.3@76.97,31.2 77.5,31.2 77.619,31.081 77.619,30.181 77.95,29.85 80,29.85 R87.1@80.125,29.725 ; R87.1@80.15,29.75 80.15,28.3 C56.1@80.5,28.3
NetC56_2: C56.2 R88.1 | length 1.7
  Component Side w0.254: C56.2@80.5,26.7 80.5,26.65 R88.1@82.2,26.65
NetC57_1: C57.1 D1.1 R90.1 U1.3 | length 14.5
  Component Side w0.127: D1.1@79.3,121.75 79.95,121.75 v1(80.7,121)
  Component Side w0.254: U1.3@85.86,122.8 85.86,124.06 v1(85.9,124.1)
  Solder Side w0.127: v1(80.7,121) 83.8,124.1 v1(85.9,124.1)
  Solder Side w0.254: R90.1@85.05,120.7 C57.1@86.4,120.7 86.4,123.6 v1(85.9,124.1)
NetC64_2: C64.2 C65.2 J5.2 L1.2 | length 6.2
  Component Side w0.5: v1(82.4,73.95) L1.2@83.325,73.95 84.448,72.827 J5.2@85.6,72.827
  Solder Side w0.5: C65.2@81.65,73 81.65,73.2 v1(82.4,73.95) 82.95,74.5 C64.2@83.4,74.5
NetC65_1: C65.1 C67.1 J5.1 L2.2 | length 6.4
  Component Side w0.5: v1(82.3,70.4) 83.275,70.4 L2.2@83.325,70.45 84.452,71.577 J5.1@85.6,71.577
  Solder Side w0.5: C65.1@81.65,71.4 81.65,71.05 v1(82.3,70.4) 82.8,69.9 C67.1@83.4,69.9
NetC66_2: C66.2 Q2.3 R98.2 U10.20 | length 12.5
  Component Side w0.127: v1(63.15,73.95) 65.2,73.95 65.5,74.25 65.5,78.25 65.6,78.35 Q2.3@66.05,78.35
  Component Side w0.254: v1(63.15,73.95) 63.15,73.161 63.8,72.511 64.389,72.511 U10.20@64.45,72.45
  Solder Side w0.254: v1(63.15,73.95) 63.15,73.75 C66.2@63.9,73 63.95,73.05 R98.2@65.65,73.05